# Altium PCB 2019.07.17.master.PcbDoc (part 6 of 6)
Units mm, origin at the board's own origin, x right, y up, seen from the top; angles counter-clockwise.
Board outline 160 x 120 mm, 6 copper layers (Top Signal, Top GND, Inner PWR, Inner Signal, Bottom GND, Bottom Signal), stack 1.571 mm thick; 405 components, 388 nets, 1694 pads, 1293 vias.
Unrouted connection lines stored in the file: 2.
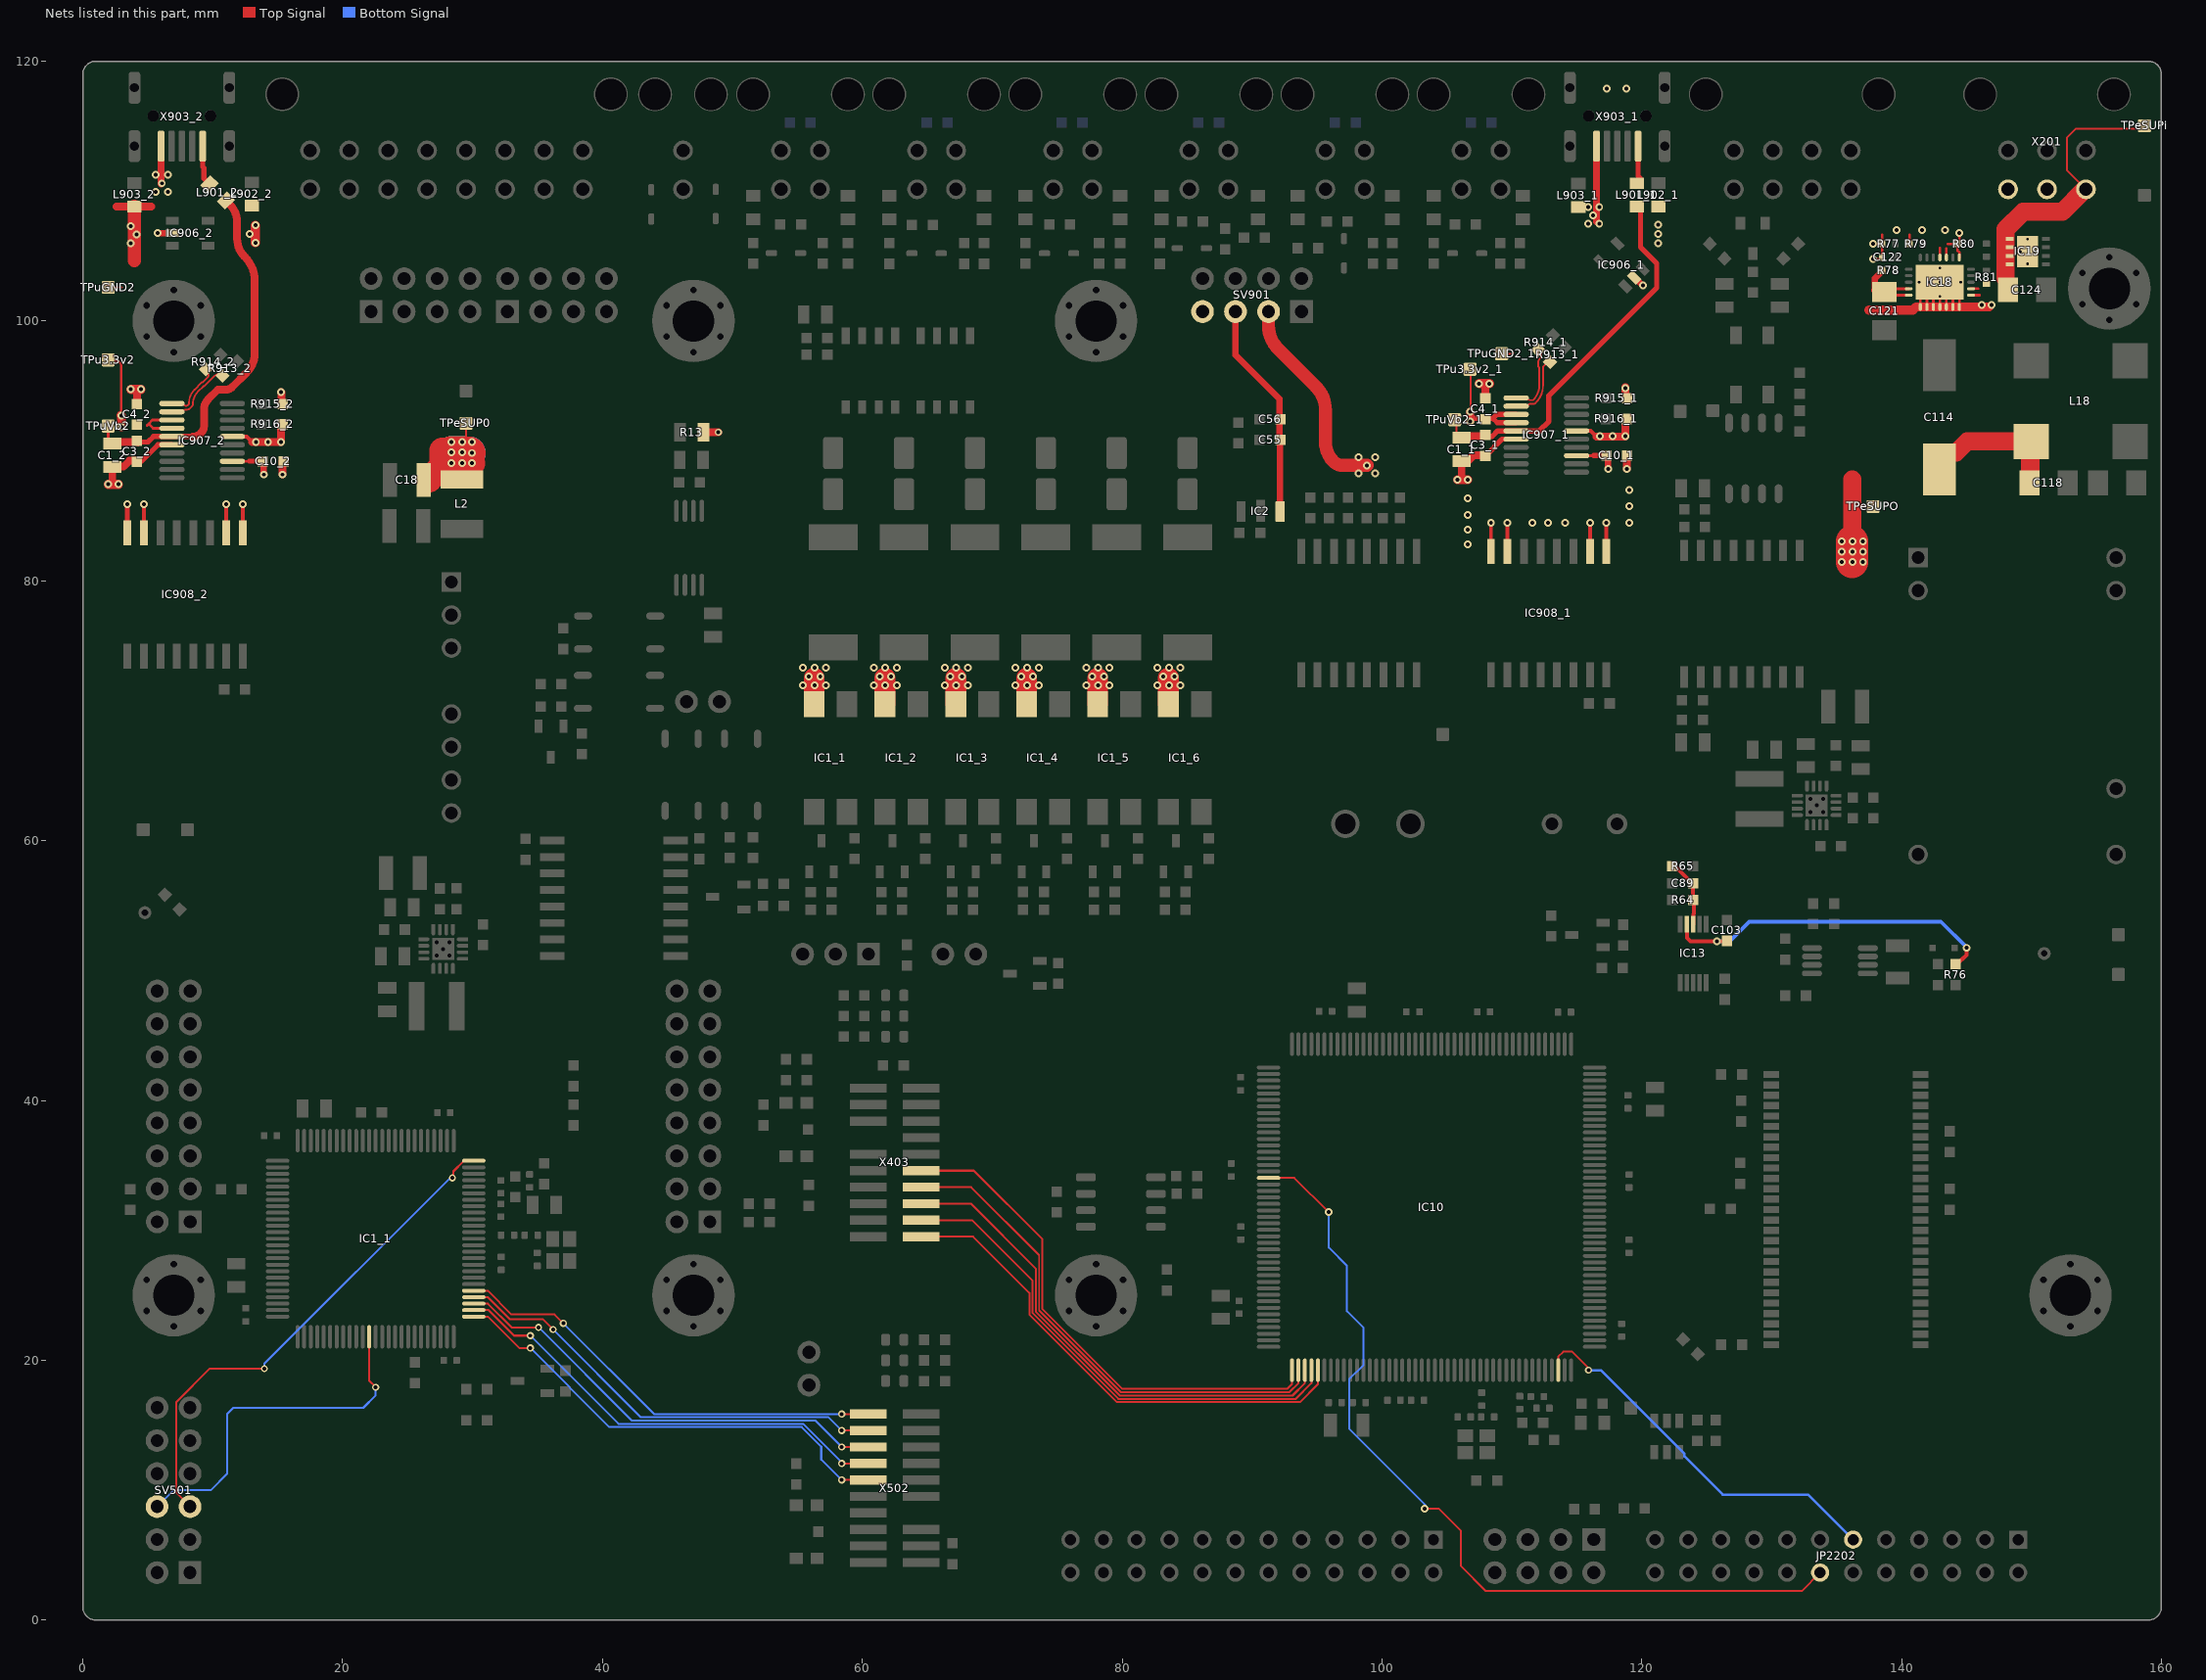
[diagram p10: the nets of this part, all layers, seen from the top]

## Via types
v1: diameter 0.6, hole 0.3, Top Signal to Bottom Signal, 971 vias
v2: diameter 0.55, hole 0.3, Top Signal to Bottom Signal, tented both sides, 231 vias
v3: diameter 0.5, hole 0.3, Top Signal to Bottom Signal, tented both sides, 42 vias
v4: diameter 0.45, hole 0.2, Top Signal to Bottom Signal, 31 vias
v5: diameter 0.55, hole 0.3, Top Signal to Bottom Signal, 12 vias
v6: diameter 0.6, hole 0.3, Top Signal to Bottom Signal, tented both sides, 5 vias
v7: diameter 0.5, hole 0.3, Top Signal to Bottom Signal, 1 vias

## Nets (pads, with @x,y where several pads share a name; then routed paths per layer and width w, separated by ;. In a path a pad name is that pad's centre, name@x,y a point inside that pad or via, vN(x,y) a via of type N, cw(c..) or ccw(c..) an arc to the next point about the centre after c; other vN are vias at no path point) (continued)
RS485_MCU_0_RX: IC10.150 JP2202.14 | length 67.9
  Top Signal w0.15: IC10.150@91.273,34.034 93.25,34.034 95.91,31.373 v1(95.91,31.395)
  Top Signal w0.152: v1(103.278,8.558) 104.396,8.558 106.07,6.883 106.07,4.166 108.001,2.235 132.317,2.235 JP2202.14@133.732,3.65
  Bottom Signal w0.15: v1(95.91,31.395) 95.91,28.666 97.315,27.262 97.315,26.506 97.307,26.499 97.307,23.774 98.582,22.5 98.582,19.64 97.472,18.531 97.472,14.731 103.351,8.853 v1@103.351,8.549
RS485_MCU_0_TX: IC10.42 JP2202.11 | length 30.1
  Top Signal w0.152: IC10.42@113.572,19.234 113.572,20.269 113.958,20.654 114.638,20.654 115.898,19.395 v5(115.898,19.228)
  Bottom Signal w0.2: v5(115.898,19.228) 116.865,19.228 123.293,12.8 123.293,12.594 126.235,9.652 132.81,9.652 JP2202.11@136.272,6.19
RTN_EXT_0: C122.2 IC18.1 IC18.2 IC18.3 IC18.4 IC18.5 IC18.6 IC18.7 IC18.13 IC18.15 IC18.16 IC18.25 IC18.V R77.1 R79.1 R80.1 | length 32.3
  Top Signal w0.2: v1(137.795,104.775) 138.514,104.775 R77.1@138.514,105.943 ; v1(137.795,105.943) R77.1@138.514,105.943 ; 138.514,106.655 R77.1@138.514,105.943 ; 140.614,106.629 140.614,105.949 R79.1@140.62,105.943 ; IC18.1@141.45,101.092 141.45,101.742 142.7,102.992 IC18.25@142.95,102.992 ; IC18.2@141.95,101.092 141.95,101.992 IC18.25@142.45,102.492 ; IC18.3@142.45,101.092 IC18.25@142.45,102.492 ; IC18.4@142.95,101.092 IC18.25@142.95,102.992 ; IC18.16@142.95,104.892 142.95,105.628 ; IC18.5@143.45,101.092 IC18.25@143.45,102.492 ; IC18.15@143.45,104.892 143.45,105.601 ; 143.555,105.918 143.58,105.943 R80.1@144.305,105.943 ; IC18.6@143.95,101.092 143.95,101.992 IC18.25@143.45,102.492 ; R80.1@144.237,106.011 R80.1@144.305,105.943 ; IC18.7@144.45,101.092 144.45,101.742 143.2,102.992 IC18.25@142.95,102.992 ; IC18.13@144.45,104.892 144.45,105.294 144.305,105.438 R80.1@144.305,105.943 ; v1(144.45,106.79) 144.45,106.088 R80.1@144.305,105.943 ; IC18.25@142.45,102.492 IC18.25@142.95,102.992 ; IC18.25@142.95,102.992 IC18.25@143.45,102.492
  Top Signal w0.7: 137.49,100.837 140.876,100.837 141.131,101.092 IC18.1@141.45,101.092 IC18.2@141.95,101.092 IC18.3@142.45,101.092 IC18.4@142.95,101.092 IC18.5@143.45,101.092 IC18.6@143.95,101.092 IC18.7@144.45,101.092 v1@146.745,101.092
  other v1: 146.163,101.236 146.934,101.236 139.614,107.019 141.577,107.019 143.344,107.019
SUPPLY_EXT_0: C18.2 C114.1 C118.2 C121.2 IC18.23 IC18.24 L2.1 L18.1 R78.2 SV901.3 TPeSUP0.1 TPeSUPO.1 | length 54.9
  Top Signal w0.1: v1@29.257,89.884 29.257,89.886 29.5,90.129
  Top Signal w0.15: 29.5,90.129 TPeSUP0.1@29.5,92.126 ; 136.207,86.381 136.21,86.381 136.21,85.982 136.474,85.718 TPeSUPO.1@137.802,85.718
  Top Signal w0.225: C121.2@137.903,101.992 IC18.24@140.55,101.992 ; C121.2@137.903,102.496 137.952,102.496 140.144,102.496 140.148,102.492 IC18.23@140.55,102.492
  Top Signal w0.5: C121.2@137.903,102.371 137.952,102.42 137.952,102.496 137.952,103.299 138.514,103.861 R78.2@138.514,103.886
  Top Signal w1: SV901.3@91.27,100.73 91.27,99.647 ccw(c93.81,99.647) 92.014,97.851 94.911,94.954 cw(c93.115,93.158) 95.655,93.158 95.655,90.664 ccw(c97.716,90.664) 96.259,89.207 96.317,89.149 ccw(c96.94,89.772) 96.94,88.891 v1@98.857,88.891
  Top Signal w1.4: v1(136.21,82.251) v1(136.21,83.038) 136.21,86.381 136.21,87.813 ; C114.1@142.91,88.589 142.91,89.339 143.46,89.889 144.21,89.889 145.051,90.73 L18.1@149.971,90.73 149.909,90.668 149.909,87.602 C118.2@149.846,87.539
  Top Signal w1.5: v1@136.198,82.269 v1@136.207,82.279
  Top Signal w2: C18.2@26.645,87.808 27.68,88.844 27.68,90.012 29.296,88.395 v1(29.954,89.052)
  Top Signal w2.5: v1(28.379,89.891) v1(29.185,89.891) 29.257,89.884 v1@29.766,89.84 ; v1@136.198,81.464 136.198,82.269 v1@136.198,83.038
  Bottom Signal w2.5: v1(28.379,89.891) v1(29.185,89.891) 29.257,89.884 v1@29.766,89.84
  other v1: 135.385,81.464 136.21,81.464 137.036,81.464 135.385,82.251 137.036,82.251 135.385,83.038 137.036,83.038 98.196,88.26 99.466,88.26 98.831,88.893 28.379,89.052 29.185,89.052 98.196,89.527 99.466,89.527 29.954,89.84 28.379,90.703 29.185,90.703 29.954,90.703
SUPPLY_EXT_0_IN: C124.2 IC18.8 IC18.9 IC19.1 IC19.2 IC19.3 IC19.4 R81.2 TPeSUPi.1 X201.6 | length 23.4
  Top Signal w0.15: X201.6@154.198,110.14 152.73,111.608 152.73,114.122 153.416,114.808 158.471,114.808 TPeSUPi.1@158.699,115.037
  Top Signal w0.2: IC18.8@145.35,101.992 146.009,101.992 ; IC18.9@145.35,102.492 145.898,102.492
  Top Signal w1.4: C124.2@148.006,103.283 148.006,105.024 148.006,106.324 148.006,107.059 149.354,108.407 152.376,108.407 154.114,110.145 X201.6@154.158,110.101
SUPPLY_EXT_2: C55.1 C56.1 IC1_1.4@56.286,70.52 IC1_2.4 IC1_3.4 IC1_4.4 IC1_5.4 IC1_6.4 IC2.3 R13.2 SV901.5 SV901.7 X201.4 X201.5 | length 29.9
  Top Signal w0.5: SV901.5@88.73,100.73 88.73,97.391 92.111,94.009 92.111,91.999 92.162,90.325 IC2.3@92.162,85.442
  Top Signal w0.6: R13.2@47.713,91.44 R13.2@47.763,91.44 v2(48.927,91.44)
  Top Signal w1.6: IC1_1.4@56.286,70.52 56.286,72.517 ; IC1_2.4@61.743,70.52 61.743,72.517 ; IC1_3.4@67.199,70.52 67.199,72.517 ; IC1_4.4@72.655,70.52 72.655,72.517 ; IC1_5.4@78.111,70.52 78.111,72.517 ; IC1_6.4@83.567,70.52 83.567,72.517
  other v1: 55.43,71.953 56.321,71.953 57.213,71.953 60.886,71.953 61.777,71.953 62.669,71.953 66.342,71.953 67.234,71.953 68.125,71.953 71.798,71.953 72.69,71.953 73.581,71.953 77.255,71.953 78.146,71.953 79.037,71.953 82.711,71.953 83.602,71.953 84.494,71.953 55.876,72.638 56.767,72.638 61.332,72.638 62.223,72.638 66.788,72.638 67.679,72.638 72.244,72.638 73.136,72.638 77.7,72.638 78.592,72.638 83.156,72.638 84.048,72.638 55.43,73.324 56.321,73.324 57.213,73.324 60.886,73.324 61.777,73.324 62.669,73.324 66.342,73.324 67.234,73.324 68.125,73.324 71.798,73.324 72.69,73.324 73.581,73.324 77.255,73.324 78.146,73.324 79.037,73.324 82.711,73.324 83.602,73.324 84.494,73.324
TRACECLK_MCU_0: IC10.1 X403.12 | length 40.6
  Top Signal w0.152: X403.12@64.535,34.593 68.582,34.593 73.863,29.312 73.863,23.938 80.007,17.794 92.698,17.794 93.079,18.174 93.079,19.228 IC10.1@93.073,19.234 IC10.1@93.073,18.522
TRACECLK_MCU_1: IC1_1.1@30.092,23.354 X502.12 | length 36
  Top Signal w0.152: IC1_1.1@30.293,23.354 31.189,23.354 33.603,20.94 v2(34.449,20.94) ; v2(58.42,10.78) X502.12@60.465,10.78
  Bottom Signal w0.152: v2(34.449,20.94) 40.538,14.85 55.342,14.85 56.843,13.349 56.843,12.357 v2(58.42,10.78)
TRACED0_MCU_0: IC10.2 X403.14 | length 39.4
  Top Signal w0.15: X403.14@64.535,33.323 68.379,33.323 73.612,28.09 73.612,23.834 79.906,17.54 92.874,17.54 93.572,18.238 IC10.2@93.572,19.234
TRACED0_MCU_1: IC1_1.2@30.092,23.854 X502.14 | length 35.1
  Top Signal w0.152: IC1_1.2@30.293,23.854 31.234,23.854 33.195,21.893 v2(34.449,21.893) ; v2(58.42,12.05) X502.14@60.465,12.05
  Bottom Signal w0.152: v2(34.449,21.893) 41.238,15.103 55.446,15.103 58.42,12.129 v2(58.42,12.05)
TRACED1_MCU_0: IC10.3 X403.16 | length 39
  Top Signal w0.15: X403.16@64.535,32.053 68.354,32.053 73.362,27.044 73.362,23.73 79.815,17.278 93.114,17.278 94.073,18.236 IC10.3@94.073,19.234
TRACED1_MCU_1: IC1_1.3@30.092,24.354 X502.16 | length 34.7
  Top Signal w0.152: IC1_1.3@30.293,24.354 31.182,24.354 33.009,22.528 v2(35.084,22.528) ; v2(58.42,13.32) X502.16@60.465,13.32
  Bottom Signal w0.152: v2(35.084,22.528) 42.256,15.355 56.385,15.355 v2(58.42,13.32)
TRACED2_MCU_0: IC10.4 X403.18 | length 38.7
  Top Signal w0.15: X403.18@64.535,30.783 68.455,30.783 73.112,26.126 73.112,23.627 79.711,17.028 93.379,17.028 94.572,18.221 IC10.4@94.572,19.234
TRACED2_MCU_1: IC1_1.4@30.092,24.854 X502.18 | length 34.4
  Top Signal w0.152: IC1_1.4@30.293,24.854 31.162,24.854 32.853,23.163 35.401,23.163 v2(36.195,22.369) ; v2@58.579,14.59 X502.18@60.465,14.59
  Top Signal w0.203: v2(58.42,14.59) v2@58.579,14.59
  Bottom Signal w0.152: v2(36.195,22.369) 42.956,15.608 57.402,15.608 v2(58.42,14.59)
TRACED3_MCU_0: IC10.5 X403.20 | length 38.4
  Top Signal w0.15: X403.20@64.535,29.513 68.531,29.513 72.862,25.182 72.862,23.523 79.608,16.778 93.689,16.778 95.073,18.161 IC10.5@95.073,19.234
TRACED3_MCU_1: IC1_1.5 X502.20 | length 34.1
  Top Signal w0.152: IC1_1.5@30.293,25.354 31.166,25.354 32.999,23.52 36.313,23.52 v2(36.989,22.845) ; v2(58.42,15.86) X502.20@60.465,15.86
  Bottom Signal w0.152: v2(36.989,22.845) 43.974,15.86 v2(58.42,15.86)
U_1_N: IC907_1.12 R913_1.1 | length 5.3
  Top Signal w0.14: IC907_1.12@110.333,93.447 111.027,93.447 ccw(c111.027,93.739) IC907_1.12@111.234,93.532 ; IC907_1.12@111.234,93.532 cw(c111.441,93.325) 111.441,93.618 111.634,93.618 ccw(c111.634,93.908) 111.839,93.703 ; 111.84,93.704 ccw(c110.468,95.075) 112.408,95.075 112.408,96.47 112.664,96.726 cw(c112.947,96.443) R913_1.1@112.947,96.843 ; R913_1.1@112.87,96.975 cw(c112.87,96.766) R913_1.1@113.018,96.914
U_1_P: IC907_1.11 R914_1.1 | length 5.4
  Top Signal w0.14: IC907_1.11@110.333,94.082 111.027,94.082 cw(c111.027,93.789) IC907_1.11@111.234,93.996 ; IC907_1.11@111.234,93.996 ccw(c111.441,94.203) 111.441,93.91 111.633,93.91 ccw(c110.468,95.075) 112.116,95.075 112.116,96.349 ccw(c111.957,96.349) 112.069,96.461 cw(c112.181,96.572) 112.023,96.572 112.023,96.798 cw(c112.429,96.798) 112.142,97.086 ccw(c111.855,97.373) 112.261,97.373 112.261,97.63 ccw(c112.052,97.63) R914_1.1@112.2,97.778
U_2_N: IC907_2.12 R913_2.1 | length 5.4
  Top Signal w0.14: IC907_2.12@6.858,93.015 7.552,93.015 ccw(c7.552,93.307) IC907_2.12@7.759,93.101 ; IC907_2.12@7.759,93.101 cw(c7.966,92.894) 7.966,93.186 8.042,93.186 ccw(c8.042,93.476) 8.247,93.271 8.389,93.414 ccw(c8.184,93.619) 8.474,93.619 cw(c9.826,93.619) 8.87,94.575 9.269,94.973 cw(c9.314,94.928) 9.314,94.992 ccw(c9.314,95.055) 9.359,95.01 10.082,95.734 cw(c10.519,95.297) 10.519,95.915 10.698,95.915 cw(c10.698,95.728) R913_2.1@10.83,95.86
U_2_P: IC907_2.11 R914_2.1 | length 4.8
  Top Signal w0.14: IC907_2.11@6.858,93.65 7.552,93.65 cw(c7.552,93.357) 7.759,93.564 7.776,93.548 ccw(c7.943,93.715) 7.943,93.478 ccw(c7.943,93.715) 8.11,93.548 ccw(c7.935,93.722) 8.182,93.722 cw(c9.577,93.722) 8.591,94.708 9.148,95.265 cw(c9.193,95.22) 9.193,95.284 ccw(c9.193,95.347) 9.238,95.302 9.628,95.693 ccw(c9.53,95.792) 9.669,95.792 9.669,95.836 ccw(c9.635,95.836) 9.659,95.86 ; R914_2.1@9.538,96.355 cw(c9.27,96.087) 9.649,96.087 9.649,95.885 ccw(c9.684,95.885) 9.659,95.86
USART_MCU_1_RX: IC1_1.87 SV501.6 | length 27.6
  Top Signal w0.152: IC1_1.87@22.043,21.604 22.043,18.424 v2(22.543,17.924)
  Bottom Signal w0.152: SV501.6@5.715,8.73 6.971,9.986 9.842,9.986 11.112,11.256 11.112,15.86 11.589,16.336 21.59,16.336 22.543,17.289 v2(22.543,17.924)
USART_MCU_1_TX: IC1_1.25 SV501.5 | length 39.7
  Top Signal w0.152: SV501.5@8.255,8.73 7.204,9.781 7.204,16.785 9.771,19.353 v2(13.97,19.353) ; v2(28.448,34.036) 28.524,34.112 28.524,34.535 29.342,35.354 IC1_1.25@30.092,35.354 IC1_1.25@30.293,35.354
  Bottom Signal w0.152: v2(13.97,19.353) 13.97,19.726 28.204,33.96 28.372,33.96 v2(28.448,34.036)
USB_+3.3V_1: C4_1.1 C10_1.1 IC907_1.3 IC907_1.13 IC907_1.14 IC908_1.1 IC908_1.7 TPu3.3v2_1.1 | length 18.2
  Top Signal w0.15: TPu3.3v2_1.1@106.783,96.29 106.832,96.24 v1@106.832,92.913 ; v1(106.807,92.278) 106.82,92.291 v1@106.82,92.901
  Top Signal w0.2: IC907_1.3@114.983,89.637 116.269,89.637 116.288,89.655
  Top Signal w0.3: IC908_1.7@109.666,82.269 v1(109.666,84.464) ; IC908_1.1@117.286,82.269 v1(117.286,84.464) ; C10_1.1@117.362,89.637 117.362,89.655 C10_1.1@117.362,89.737
  Top Signal w0.4: v1@106.863,92.518 108.541,92.518 ; IC907_1.14@110.333,92.177 108.883,92.177 108.541,92.518 ; IC907_1.13@110.333,92.812 108.834,92.812 108.541,92.518 ; 116.288,89.655 117.362,89.655 C10_1.1@117.387,89.655
  Top Signal w0.5: C10_1.1@117.387,89.655 117.405,89.637 v1@117.405,88.614
  Top Signal w0.6: v1(106.796,93.019) 106.796,92.289 v1(106.807,92.278)
  other v1: 117.405,88.613
USB_+3.3V_2: C4_2.1 C10_2.1 IC907_2.3 IC907_2.13 IC907_2.14 IC908_2.1 IC908_2.7 TPu3.3v2.1 | length 17.3
  Top Signal w0.2: TPu3.3v2.1@2.413,96.925 2.705,96.925 2.958,96.672 v1(2.958,92.735) ; 4.953,91.973 5.066,92.087 ; IC907_2.14@6.858,91.745 5.408,91.745 5.066,92.087 ; IC907_2.13@6.858,92.38 5.359,92.38 5.066,92.087 ; IC907_2.3@11.508,89.205 12.794,89.205 12.813,89.224
  Top Signal w0.3: IC908_2.7@4.699,83.693 v1(4.699,85.888) ; IC908_2.1@12.319,83.693 v1(12.319,85.888)
  Top Signal w0.4: 12.813,89.224 C10_2.1@13.912,89.224
  Top Signal w0.5: C10_2.1@13.912,89.224 13.931,89.205 13.931,88.182 v1(13.93,88.181)
  Top Signal w0.7: v1(2.958,92.735) 2.972,92.722 v1(2.972,91.872)
USB_+VBUS_1: C1_1.1 C3_1.1 IC907_1.15 L901_1.2 TPuVb2_1.1 | length 29.1
  Top Signal w0.15: C1_1.1@105.752,90.971 TPuVb2_1.1@105.752,92.562
  Top Signal w0.2: C1_1.1@105.738,91.102 C1_1.1@105.752,90.971 ; C3_1.1@107.756,90.891 C3_1.1@107.837,90.972
  Top Signal w0.4: C3_1.1@107.64,91.124 108.492,91.124 108.91,91.542 IC907_1.15@110.333,91.542 112.116,91.542 112.852,92.278 112.852,94.259 121.153,102.56 121.153,104.436 119.908,105.68 L901_1.2@119.908,108.366
  Top Signal w0.6: C1_1.1@106.066,91.068 C1_1.1@106.071,91.073 ; C1_1.1@106.133,91.124 C3_1.1@107.64,91.124
USB_+VBUS_2: C1_2.1 C3_2.1 IC907_2.15 L901_2.2 TPuVb2.1 | length 28.6
  Top Signal w0.2: C1_2.1@1.954,90.692 TPuVb2.1@1.954,91.921 ; C3_2.1@4.281,90.459 C3_2.1@4.362,90.54
  Top Signal w0.4: C3_2.1@4.166,90.692 5.018,90.692 5.436,91.11 IC907_2.15@6.858,91.11 8.474,91.11
  Top Signal w0.6: C1_2.1@2.273,90.687 2.278,90.692 C3_2.1@4.166,90.692 ; 8.474,91.11 8.477,91.11 ccw(c8.477,91.977) 9.091,91.364 ccw(c8.509,91.945) 9.331,91.945 9.331,93.186 cw(c10.473,93.186) 9.666,93.993 10.381,94.708 10.977,94.708 ccw(c10.977,95.459) 11.508,94.928 12.624,96.044 ccw(c11.154,97.515) 13.233,97.515 13.233,103.121 ccw(c10.693,103.121) 12.489,104.917 12.448,104.959 cw(c13.831,106.343) 11.874,106.343 11.874,107.627 ccw(c9.952,107.627) L901_2.2@11.311,108.987
USB_GND_1: C1_1.2 C3_1.2 C4_1.2 C10_1.2 IC906_1.2 IC907_1.6 IC907_1.16 IC908_1.2 IC908_1.8 L902_1.1 L903_1.1 R915_1.2 R916_1.2 TPuGND2_1.1 X903_1.5 | length 29.1
  Top Signal w0.152: TPuGND2_1.1@109.22,97.485 110.052,97.485 110.116,97.55
  Top Signal w0.3: IC908_1.8@108.396,82.269 v1(108.396,84.464) ; IC907_1.6@114.983,91.542 116.08,91.542 v1@116.503,91.119 ; IC908_1.2@116.016,82.269 v1(116.016,84.464) ; 117.28,91.188 117.38,91.188 ; R916_1.2@118.571,92.297 118.735,92.461 R916_1.2@118.755,92.481
  Top Signal w0.4: C3_1.2@107.64,89.674 108.023,89.674 109.256,90.907 IC907_1.16@110.333,90.907
  Top Signal w0.5: v1@116.52,107.62 X903_1.5@116.52,113.464 ; IC906_1.2@119.412,103.346 119.464,103.346 120.077,102.732 v1(120.104,102.732)
  Top Signal w0.6: C1_1.2@105.898,89.219 106.609,89.219 107.064,89.674 C3_1.2@107.64,89.674 ; 106.209,87.791 106.133,87.866 106.133,88.999 C1_1.2@106.283,89.149 ; 107.884,95.18 107.959,95.105 C4_1.2@107.959,93.972 ; v1@116.503,91.119 v1@118.735,91.119 ; v1(118.735,91.124) R916_1.2@118.735,92.461 ; v1(118.745,94.844) 118.745,94.917 118.755,94.927 R915_1.2@118.755,94.031 ; v1(118.855,88.613) C10_1.2@118.855,89.637
  Top Signal w0.7: v1(105.815,87.791) 106.209,87.791 v1(106.602,87.791) ; v1(107.49,95.18) 107.884,95.18 v1(108.277,95.18)
  other v1: 106.609,82.823 106.609,83.95 111.575,84.464 112.801,84.464 114.115,84.464 119.054,84.464 106.609,85.077 119.054,85.734 106.609,86.347 119.054,87.004 116.791,91.124 117.754,91.124 121.274,105.986 121.274,106.707 121.252,107.428 115.86,107.511 116.726,107.511 116.241,108.14 115.86,108.768 116.726,108.768 117.311,117.881 118.811,117.881
USB_GND_2: C1_2.2 C3_2.2 C4_2.2 C10_2.2 IC906_2.2 IC907_2.6 IC907_2.16 IC908_2.2 IC908_2.8 L902_2.1 L903_2.1 R915_2.2 R916_2.2 TPuGND2.1 X903_2.5 | length 34.6
  Top Signal w0.152: TPuGND2.1@1.954,102.589 2.999,102.589
  Top Signal w0.3: IC908_2.2@11.049,83.693 v1(11.049,85.888) ; IC907_2.6@11.508,91.11 12.605,91.11 v1@13.028,90.687 ; R916_2.2@15.096,91.866 15.26,92.03 R916_2.2@15.28,92.05
  Top Signal w0.4: IC908_2.8@3.429,83.693 v1(3.429,85.888) ; C3_2.2@4.166,89.242 4.548,89.242 5.781,90.475 IC907_2.16@6.858,90.475
  Top Signal w0.5: v1(5.772,106.766) IC906_2.2@6.887,106.766 ; v1@6.025,110.546 X903_2.5@6.025,113.464
  Top Signal w0.6: 2.348,87.429 2.273,87.504 2.273,88.637 2.423,88.787 3.134,88.787 3.589,89.242 C3_2.2@4.166,89.242 ; 2.585,108.828 L903_2.1@3.975,108.828 5.274,108.828 ; 3.966,104.649 3.975,104.658 ; 4.091,94.744 4.166,94.669 C4_2.2@4.166,93.537 ; v1@13.028,90.687 v1@15.26,90.687 ; v1(15.26,90.692) R916_2.2@15.26,92.03 ; v1(15.26,94.516) 15.28,94.496 R915_2.2@15.28,93.599 ; v1(15.381,88.181) C10_2.2@15.381,89.205
  Top Signal w0.7: v1(1.954,87.429) 2.348,87.429 v1(2.742,87.429) ; v1(3.697,94.744) 4.091,94.744 v1(4.484,94.744) ; v1(13.283,106.028) v1(13.283,107.374)
  Top Signal w1: 3.975,104.658 L903_2.1@3.975,108.828
  other v1: 13.316,90.692 14.257,90.692 3.697,105.977 4.152,106.65 12.827,106.701 3.697,107.323 5.625,109.931 6.536,109.931 6.081,110.604 5.625,111.277 6.536,111.277
USB_VBUS_1: L901_1.1 X903_1.1 | length 2.6
  Top Signal w0.4: X903_1.1@119.72,113.464 119.72,111.155 L901_1.1@119.908,110.966
USB_VBUS_2: L901_2.1 X903_2.1 | length 2.7
  Top Signal w0.4: X903_2.1@9.225,113.464 9.225,111.882 9.331,111.775 9.331,110.966 L901_2.1@9.473,110.825
VBU_MON: C103.2 IC13.4 R76.1 | length 27.5
  Top Signal w0.3: IC13.4@123.475,53.583 123.475,52.514 123.749,52.239 v1(125.785,52.239) C103.2@126.177,52.239 ; R76.1@144.016,50.257 144.219,50.461 144.255,50.461 144.994,51.199 ; 144.631,50.836 144.994,51.199 ; 144.994,51.199 v1(144.994,51.74) 144.994,51.199
  Bottom Signal w0.3: v1(125.785,52.239) 126.768,52.239 128.276,53.746 143.027,53.746 144.994,51.78 v1(144.994,51.74)
VIN_MON: C89.2 IC13.3 R64.2 R65.1 | length 5.3
  Top Signal w0.3: R65.1@122.35,58.042 122.555,58.042 123.95,56.646 123.95,55.478 124.031,55.397 124.031,54.391 123.975,54.334 IC13.3@123.975,53.583
ZHS: IC19.9 IC19.V
pads on no net: Designator15.0 Designator16.0 Designator17.0 Designator18.0 Designator19.0 Designator20.0 Designator21.0 Designator22.0 IC1_1.7 IC1_1.8 IC1_1.9 IC1_1.15 IC1_1.16 IC1_1.23 IC1_1.24 IC1_1.26 IC1_1.33 IC1_1.34 IC1_1.35 IC1_1.36 IC1_1.38 IC1_1.39 IC1_1.40 IC1_1.41 IC1_1.42 IC1_1.43 IC1_1.44 IC1_1.45 IC1_1.46 IC1_1.55 IC1_1.56 IC1_1.57 IC1_1.58 IC1_1.59 IC1_1.60 IC1_1.61 IC1_1.62 IC1_1.63 IC1_1.64 IC1_1.65 IC1_1.66 IC1_1.67 IC1_1.68 IC1_1.88 IC1_1.92 IC1_1.93 IC1_1.95 IC1_1.96 IC1_1.97 IC1_1.98 IC2_1.3 IC2_1.5 IC2_1.8 IC4.36 IC4.40 IC8.2 IC8.3 IC8.5 IC8.7 IC8.8 IC10.12 IC10.13 IC10.28 IC10.43 IC10.46 IC10.110 IC10.151 IC10.176 IC12.7 IC12.14 IC17.11 IC18.11 IC18.14 IC18.21 IC906_1.1 IC906_1.3 IC906_2.1 IC906_2.3 IC907_1.5 IC907_1.8 IC907_1.10 IC907_1.17 IC907_1.18 IC907_1.19 IC907_2.5 IC907_2.8 IC907_2.10 IC907_2.17 IC907_2.18 IC907_2.19 JP2201.7 JP2201.23 JP2202.23 Q1.4 Q3.4 S401.5 S501.5 SV1602.13 SV1602.14 SV1602.15 SV1602.16 SV1604.13 SV1604.14 SV1604.15 SV1604.16 X201.MH1 X801.MH1 X801.MH2 X901.MH1 X903_1.4 X903_1.X X903_1.Y X903_2.4 X903_2.X X903_2.Y X1201.MH1 X1201.MH2 X1202.MH1 X1202.MH2 X1203.MH1 X1203.MH2 X1204.MH1 X1204.MH2 X1205.MH1 X1205.MH2 X1206.MH1 X1206.MH2 X1601.MH1
copper on no net: | length 0.9
  Top Signal w0.5: v1@22.057,51.091 22.957,51.091
  other v1: 126.325,26.87 113.735,35.794 22.029,51.122
